# Altium PCB mantarray_beta2_sensor.PcbDoc (part 1 of 5) (continued)
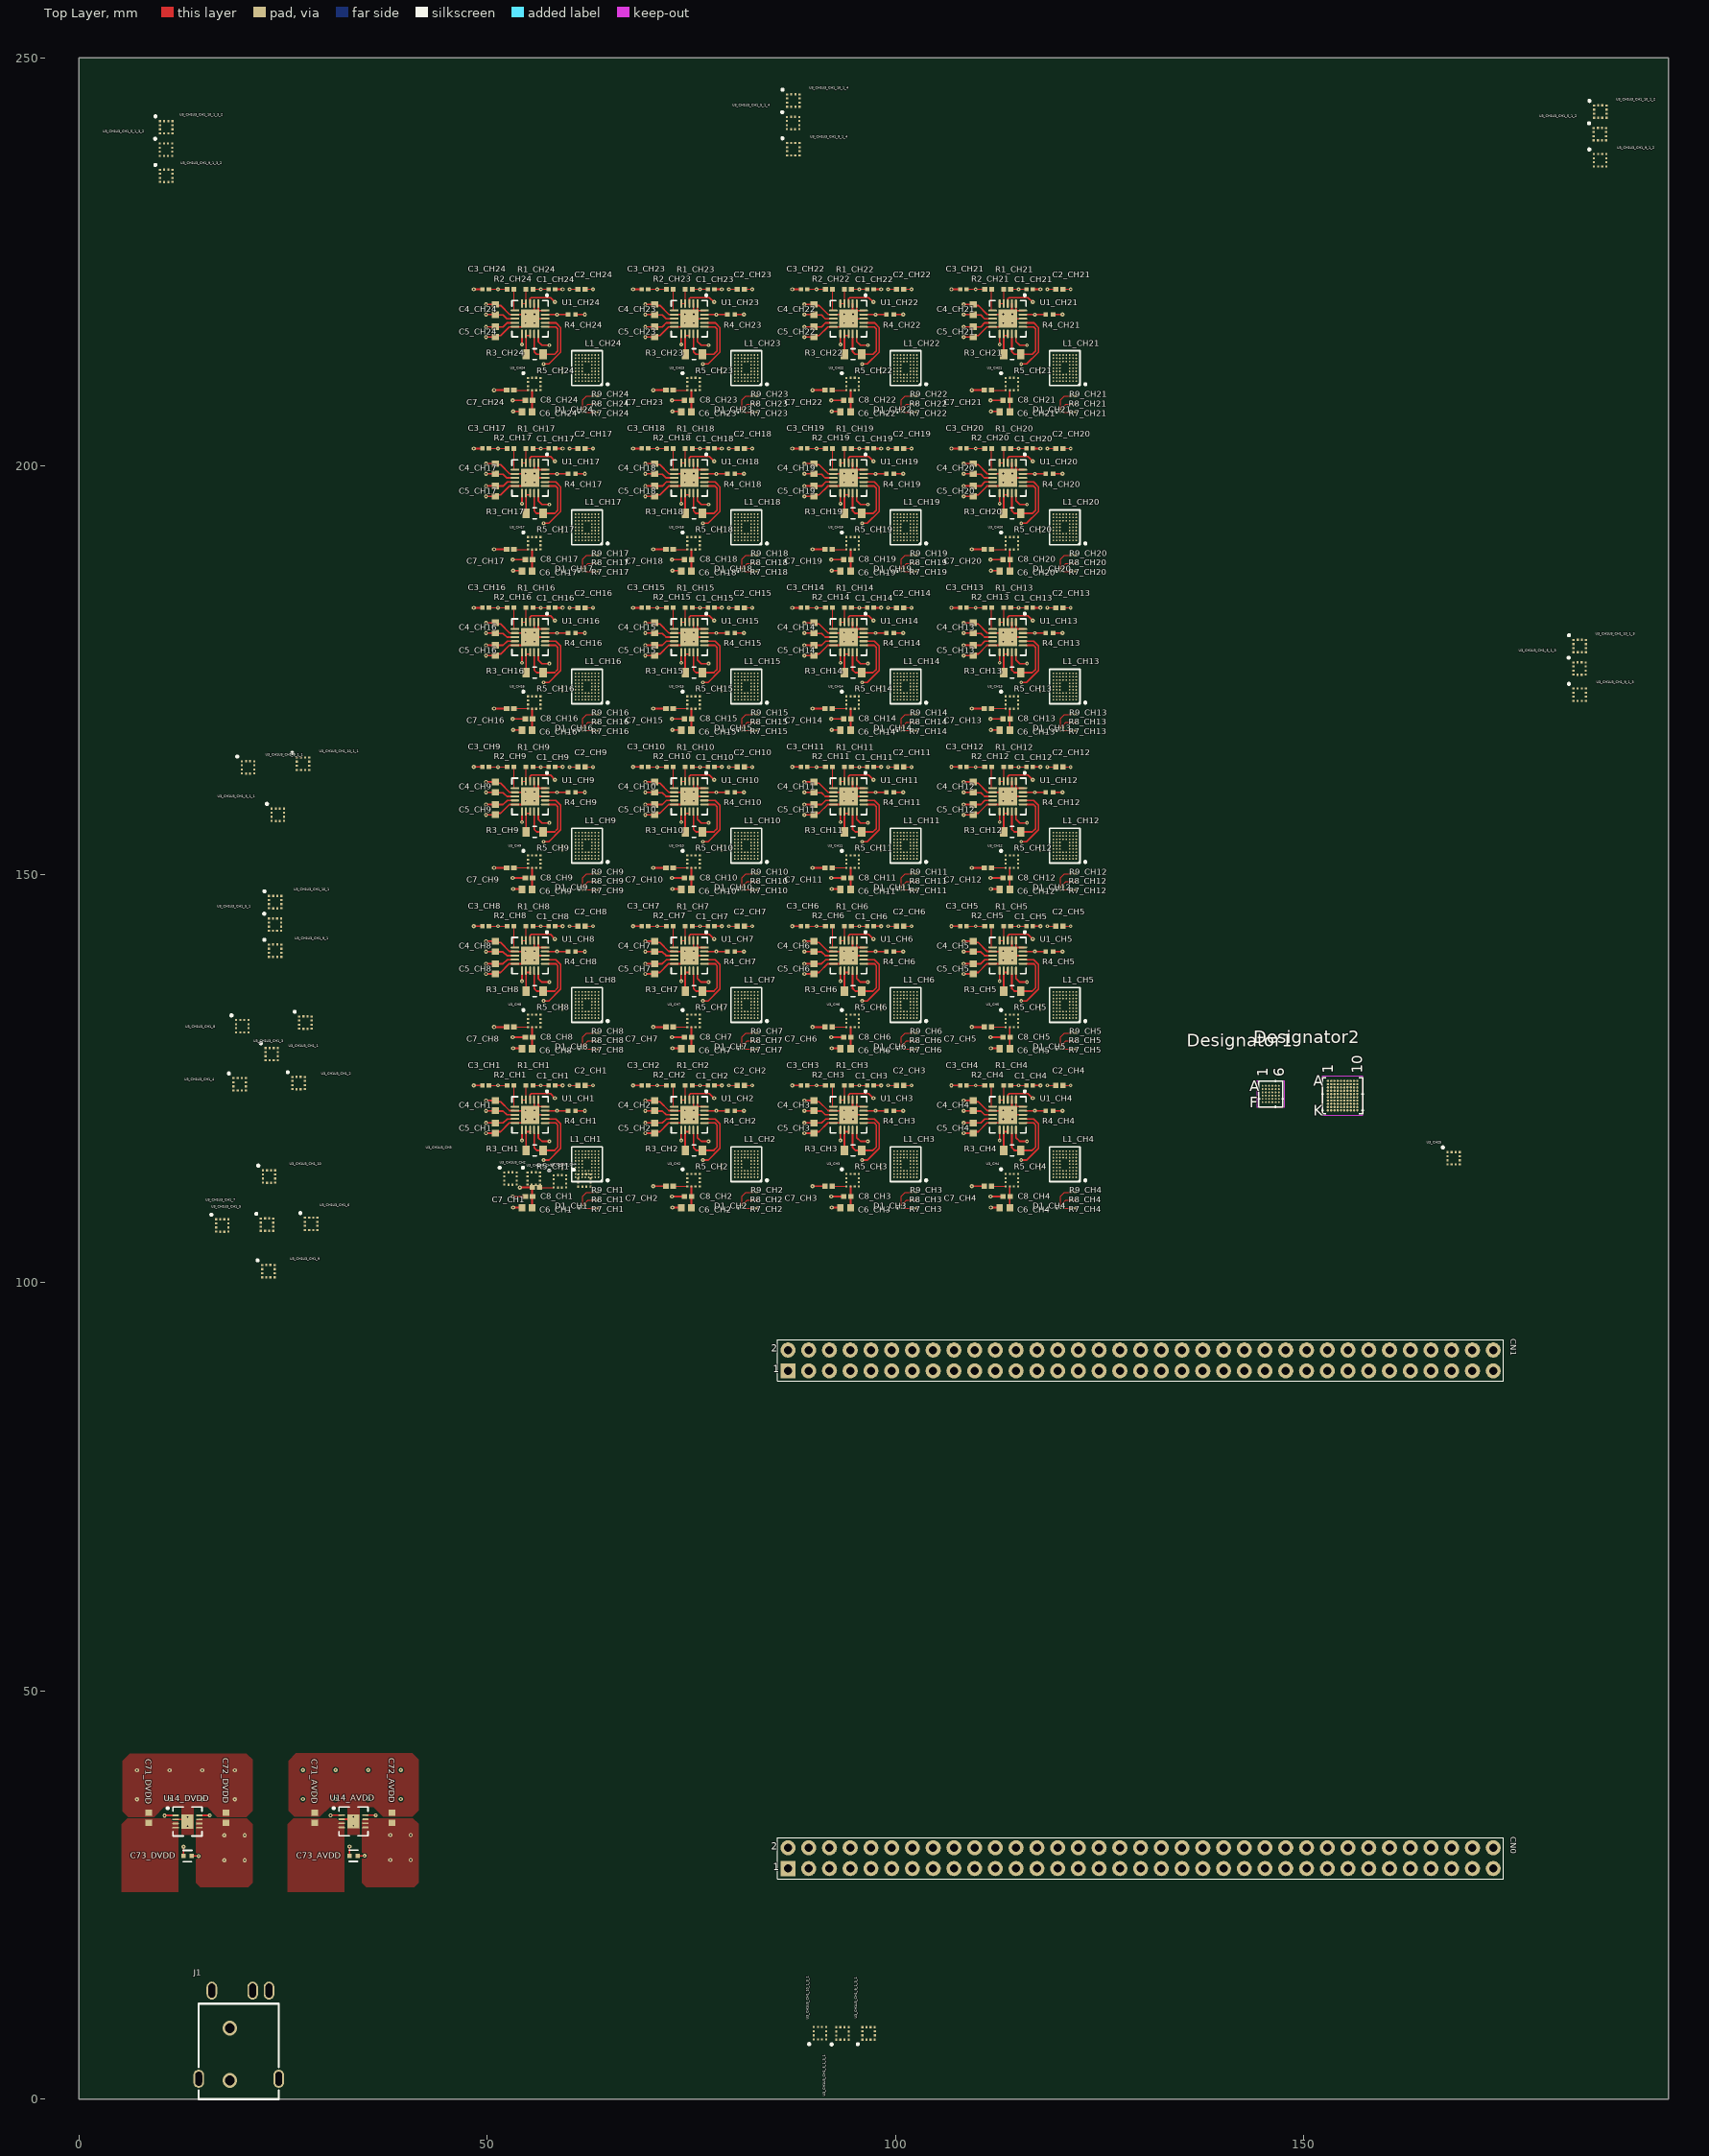
[diagram p0: Top Layer view]
## Components (designator, comment, footprint, x,y, rotation, side; value= is the part's Value field where it differs from the comment)
C1_CH1 "GRM155R71C103KA01J" CAPC1005X55X25LL05T10 57.925,124.15 r180 top locked (schematic designator C1)
C1_CH2 "GRM155R71C103KA01J" CAPC1005X55X25LL05T10 77.425,124.15 r180 top (schematic designator C1)
C1_CH3 "GRM155R71C103KA01J" CAPC1005X55X25LL05T10 96.925,124.15 r180 top (schematic designator C1)
C1_CH4 "GRM155R71C103KA01J" CAPC1005X55X25LL05T10 116.425,124.15 r180 top (schematic designator C1)
C1_CH5 "GRM155R71C103KA01J" CAPC1005X55X25LL05T10 116.425,143.65 r180 top (schematic designator C1)
C1_CH6 "GRM155R71C103KA01J" CAPC1005X55X25LL05T10 96.925,143.65 r180 top (schematic designator C1)
C1_CH7 "GRM155R71C103KA01J" CAPC1005X55X25LL05T10 77.425,143.65 r180 top (schematic designator C1)
C1_CH8 "GRM155R71C103KA01J" CAPC1005X55X25LL05T10 57.925,143.65 r180 top (schematic designator C1)
C1_CH9 "GRM155R71C103KA01J" CAPC1005X55X25LL05T10 57.925,163.15 r180 top (schematic designator C1)
C1_CH10 "GRM155R71C103KA01J" CAPC1005X55X25LL05T10 77.425,163.15 r180 top (schematic designator C1)
C1_CH11 "GRM155R71C103KA01J" CAPC1005X55X25LL05T10 96.925,163.15 r180 top (schematic designator C1)
C1_CH12 "GRM155R71C103KA01J" CAPC1005X55X25LL05T10 116.425,163.15 r180 top (schematic designator C1)
C1_CH13 "GRM155R71C103KA01J" CAPC1005X55X25LL05T10 116.425,182.65 r180 top (schematic designator C1)
C1_CH14 "GRM155R71C103KA01J" CAPC1005X55X25LL05T10 96.925,182.65 r180 top (schematic designator C1)
C1_CH15 "GRM155R71C103KA01J" CAPC1005X55X25LL05T10 77.425,182.65 r180 top (schematic designator C1)
C1_CH16 "GRM155R71C103KA01J" CAPC1005X55X25LL05T10 57.925,182.65 r180 top (schematic designator C1)
C1_CH17 "GRM155R71C103KA01J" CAPC1005X55X25LL05T10 57.925,202.15 r180 top (schematic designator C1)
C1_CH18 "GRM155R71C103KA01J" CAPC1005X55X25LL05T10 77.425,202.15 r180 top (schematic designator C1)
C1_CH19 "GRM155R71C103KA01J" CAPC1005X55X25LL05T10 96.925,202.15 r180 top (schematic designator C1)
C1_CH20 "GRM155R71C103KA01J" CAPC1005X55X25LL05T10 116.425,202.15 r180 top (schematic designator C1)
C1_CH21 "GRM155R71C103KA01J" CAPC1005X55X25LL05T10 116.425,221.65 r180 top (schematic designator C1)
C1_CH22 "GRM155R71C103KA01J" CAPC1005X55X25LL05T10 96.925,221.65 r180 top (schematic designator C1)
C1_CH23 "GRM155R71C103KA01J" CAPC1005X55X25LL05T10 77.425,221.65 r180 top (schematic designator C1)
C1_CH24 "GRM155R71C103KA01J" CAPC1005X55X25LL05T10 57.925,221.65 r180 top (schematic designator C1)
C2_CH1 "GRM155R71C104KA88D" CAPC1005X55X25NL05T10 61.55,124.15 r180 top locked (schematic designator C2)
C2_CH2 "GRM155R71C104KA88D" CAPC1005X55X25NL05T10 81.05,124.15 r180 top (schematic designator C2)
C2_CH3 "GRM155R71C104KA88D" CAPC1005X55X25NL05T10 100.55,124.15 r180 top (schematic designator C2)
C2_CH4 "GRM155R71C104KA88D" CAPC1005X55X25NL05T10 120.05,124.15 r180 top (schematic designator C2)
C2_CH5 "GRM155R71C104KA88D" CAPC1005X55X25NL05T10 120.05,143.65 r180 top (schematic designator C2)
C2_CH6 "GRM155R71C104KA88D" CAPC1005X55X25NL05T10 100.55,143.65 r180 top (schematic designator C2)
C2_CH7 "GRM155R71C104KA88D" CAPC1005X55X25NL05T10 81.05,143.65 r180 top (schematic designator C2)
C2_CH8 "GRM155R71C104KA88D" CAPC1005X55X25NL05T10 61.55,143.65 r180 top (schematic designator C2)
C2_CH9 "GRM155R71C104KA88D" CAPC1005X55X25NL05T10 61.55,163.15 r180 top (schematic designator C2)
C2_CH10 "GRM155R71C104KA88D" CAPC1005X55X25NL05T10 81.05,163.15 r180 top (schematic designator C2)
C2_CH11 "GRM155R71C104KA88D" CAPC1005X55X25NL05T10 100.55,163.15 r180 top (schematic designator C2)
C2_CH12 "GRM155R71C104KA88D" CAPC1005X55X25NL05T10 120.05,163.15 r180 top (schematic designator C2)
C2_CH13 "GRM155R71C104KA88D" CAPC1005X55X25NL05T10 120.05,182.65 r180 top (schematic designator C2)
C2_CH14 "GRM155R71C104KA88D" CAPC1005X55X25NL05T10 100.55,182.65 r180 top (schematic designator C2)
C2_CH15 "GRM155R71C104KA88D" CAPC1005X55X25NL05T10 81.05,182.65 r180 top (schematic designator C2)
C2_CH16 "GRM155R71C104KA88D" CAPC1005X55X25NL05T10 61.55,182.65 r180 top (schematic designator C2)
C2_CH17 "GRM155R71C104KA88D" CAPC1005X55X25NL05T10 61.55,202.15 r180 top (schematic designator C2)
C2_CH18 "GRM155R71C104KA88D" CAPC1005X55X25NL05T10 81.05,202.15 r180 top (schematic designator C2)
C2_CH19 "GRM155R71C104KA88D" CAPC1005X55X25NL05T10 100.55,202.15 r180 top (schematic designator C2)
C2_CH20 "GRM155R71C104KA88D" CAPC1005X55X25NL05T10 120.05,202.15 r180 top (schematic designator C2)
C2_CH21 "GRM155R71C104KA88D" CAPC1005X55X25NL05T10 120.05,221.65 r180 top (schematic designator C2)
C2_CH22 "GRM155R71C104KA88D" CAPC1005X55X25NL05T10 100.55,221.65 r180 top (schematic designator C2)
C2_CH23 "GRM155R71C104KA88D" CAPC1005X55X25NL05T10 81.05,221.65 r180 top (schematic designator C2)
C2_CH24 "GRM155R71C104KA88D" CAPC1005X55X25NL05T10 61.55,221.65 r180 top (schematic designator C2)
C3_CH1 "GRM155R71C103KA01J" CAPC1005X55X25LL05T10 49.81,124.15 r0 top locked (schematic designator C3)
C3_CH2 "GRM155R71C103KA01J" CAPC1005X55X25LL05T10 69.31,124.15 r0 top (schematic designator C3)
C3_CH3 "GRM155R71C103KA01J" CAPC1005X55X25LL05T10 88.81,124.15 r0 top (schematic designator C3)
C3_CH4 "GRM155R71C103KA01J" CAPC1005X55X25LL05T10 108.31,124.15 r0 top (schematic designator C3)
C3_CH5 "GRM155R71C103KA01J" CAPC1005X55X25LL05T10 108.31,143.65 r0 top (schematic designator C3)
C3_CH6 "GRM155R71C103KA01J" CAPC1005X55X25LL05T10 88.81,143.65 r0 top (schematic designator C3)
C3_CH7 "GRM155R71C103KA01J" CAPC1005X55X25LL05T10 69.31,143.65 r0 top (schematic designator C3)
C3_CH8 "GRM155R71C103KA01J" CAPC1005X55X25LL05T10 49.81,143.65 r0 top (schematic designator C3)
C3_CH9 "GRM155R71C103KA01J" CAPC1005X55X25LL05T10 49.81,163.15 r0 top (schematic designator C3)
C3_CH10 "GRM155R71C103KA01J" CAPC1005X55X25LL05T10 69.31,163.15 r0 top (schematic designator C3)
C3_CH11 "GRM155R71C103KA01J" CAPC1005X55X25LL05T10 88.81,163.15 r0 top (schematic designator C3)
C3_CH12 "GRM155R71C103KA01J" CAPC1005X55X25LL05T10 108.31,163.15 r0 top (schematic designator C3)
C3_CH13 "GRM155R71C103KA01J" CAPC1005X55X25LL05T10 108.31,182.65 r0 top (schematic designator C3)
C3_CH14 "GRM155R71C103KA01J" CAPC1005X55X25LL05T10 88.81,182.65 r0 top (schematic designator C3)
C3_CH15 "GRM155R71C103KA01J" CAPC1005X55X25LL05T10 69.31,182.65 r0 top (schematic designator C3)
C3_CH16 "GRM155R71C103KA01J" CAPC1005X55X25LL05T10 49.81,182.65 r0 top (schematic designator C3)
C3_CH17 "GRM155R71C103KA01J" CAPC1005X55X25LL05T10 49.81,202.15 r0 top (schematic designator C3)
C3_CH18 "GRM155R71C103KA01J" CAPC1005X55X25LL05T10 69.31,202.15 r0 top (schematic designator C3)
C3_CH19 "GRM155R71C103KA01J" CAPC1005X55X25LL05T10 88.81,202.15 r0 top (schematic designator C3)
C3_CH20 "GRM155R71C103KA01J" CAPC1005X55X25LL05T10 108.31,202.15 r0 top (schematic designator C3)
C3_CH21 "GRM155R71C103KA01J" CAPC1005X55X25LL05T10 108.31,221.65 r0 top (schematic designator C3)
C3_CH22 "GRM155R71C103KA01J" CAPC1005X55X25LL05T10 88.81,221.65 r0 top (schematic designator C3)
C3_CH23 "GRM155R71C103KA01J" CAPC1005X55X25LL05T10 69.31,221.65 r0 top (schematic designator C3)
C3_CH24 "GRM155R71C103KA01J" CAPC1005X55X25LL05T10 49.81,221.65 r0 top (schematic designator C3)
C4_CH1 "C0603C105K3RACTU" CAPC1608X87X35LL15T15 51,121.675 r270 top locked (schematic designator C4)
C4_CH2 "C0603C105K3RACTU" CAPC1608X87X35LL15T15 70.5,121.675 r270 top (schematic designator C4)
C4_CH3 "C0603C105K3RACTU" CAPC1608X87X35LL15T15 90,121.675 r270 top (schematic designator C4)
C4_CH4 "C0603C105K3RACTU" CAPC1608X87X35LL15T15 109.5,121.675 r270 top (schematic designator C4)
C4_CH5 "C0603C105K3RACTU" CAPC1608X87X35LL15T15 109.5,141.175 r270 top (schematic designator C4)
C4_CH6 "C0603C105K3RACTU" CAPC1608X87X35LL15T15 90,141.175 r270 top (schematic designator C4)
C4_CH7 "C0603C105K3RACTU" CAPC1608X87X35LL15T15 70.5,141.175 r270 top (schematic designator C4)
C4_CH8 "C0603C105K3RACTU" CAPC1608X87X35LL15T15 51,141.175 r270 top (schematic designator C4)
C4_CH9 "C0603C105K3RACTU" CAPC1608X87X35LL15T15 51,160.675 r270 top (schematic designator C4)
C4_CH10 "C0603C105K3RACTU" CAPC1608X87X35LL15T15 70.5,160.675 r270 top (schematic designator C4)
C4_CH11 "C0603C105K3RACTU" CAPC1608X87X35LL15T15 90,160.675 r270 top (schematic designator C4)
C4_CH12 "C0603C105K3RACTU" CAPC1608X87X35LL15T15 109.5,160.675 r270 top (schematic designator C4)
C4_CH13 "C0603C105K3RACTU" CAPC1608X87X35LL15T15 109.5,180.175 r270 top (schematic designator C4)
C4_CH14 "C0603C105K3RACTU" CAPC1608X87X35LL15T15 90,180.175 r270 top (schematic designator C4)
C4_CH15 "C0603C105K3RACTU" CAPC1608X87X35LL15T15 70.5,180.175 r270 top (schematic designator C4)
C4_CH16 "C0603C105K3RACTU" CAPC1608X87X35LL15T15 51,180.175 r270 top (schematic designator C4)
C4_CH17 "C0603C105K3RACTU" CAPC1608X87X35LL15T15 51,199.675 r270 top (schematic designator C4)
C4_CH18 "C0603C105K3RACTU" CAPC1608X87X35LL15T15 70.5,199.675 r270 top (schematic designator C4)
C4_CH19 "C0603C105K3RACTU" CAPC1608X87X35LL15T15 90,199.675 r270 top (schematic designator C4)
C4_CH20 "C0603C105K3RACTU" CAPC1608X87X35LL15T15 109.5,199.675 r270 top (schematic designator C4)
C4_CH21 "C0603C105K3RACTU" CAPC1608X87X35LL15T15 109.5,219.175 r270 top (schematic designator C4)
C4_CH22 "C0603C105K3RACTU" CAPC1608X87X35LL15T15 90,219.175 r270 top (schematic designator C4)
C4_CH23 "C0603C105K3RACTU" CAPC1608X87X35LL15T15 70.5,219.175 r270 top (schematic designator C4)
C4_CH24 "C0603C105K3RACTU" CAPC1608X87X35LL15T15 51,219.175 r270 top (schematic designator C4)
C5_CH1 "C0603C105K3RACTU" CAPC1608X87X35LL15T15 51,118.925 r90 top locked (schematic designator C5)
C5_CH2 "C0603C105K3RACTU" CAPC1608X87X35LL15T15 70.5,118.925 r90 top (schematic designator C5)
C5_CH3 "C0603C105K3RACTU" CAPC1608X87X35LL15T15 90,118.925 r90 top (schematic designator C5)
C5_CH4 "C0603C105K3RACTU" CAPC1608X87X35LL15T15 109.5,118.925 r90 top (schematic designator C5)
C5_CH5 "C0603C105K3RACTU" CAPC1608X87X35LL15T15 109.5,138.425 r90 top (schematic designator C5)
C5_CH6 "C0603C105K3RACTU" CAPC1608X87X35LL15T15 90,138.425 r90 top (schematic designator C5)
C5_CH7 "C0603C105K3RACTU" CAPC1608X87X35LL15T15 70.5,138.425 r90 top (schematic designator C5)
C5_CH8 "C0603C105K3RACTU" CAPC1608X87X35LL15T15 51,138.425 r90 top (schematic designator C5)
C5_CH9 "C0603C105K3RACTU" CAPC1608X87X35LL15T15 51,157.925 r90 top (schematic designator C5)
C5_CH10 "C0603C105K3RACTU" CAPC1608X87X35LL15T15 70.5,157.925 r90 top (schematic designator C5)
C5_CH11 "C0603C105K3RACTU" CAPC1608X87X35LL15T15 90,157.925 r90 top (schematic designator C5)
C5_CH12 "C0603C105K3RACTU" CAPC1608X87X35LL15T15 109.5,157.925 r90 top (schematic designator C5)
C5_CH13 "C0603C105K3RACTU" CAPC1608X87X35LL15T15 109.5,177.425 r90 top (schematic designator C5)
C5_CH14 "C0603C105K3RACTU" CAPC1608X87X35LL15T15 90,177.425 r90 top (schematic designator C5)
C5_CH15 "C0603C105K3RACTU" CAPC1608X87X35LL15T15 70.5,177.425 r90 top (schematic designator C5)
C5_CH16 "C0603C105K3RACTU" CAPC1608X87X35LL15T15 51,177.425 r90 top (schematic designator C5)
C5_CH17 "C0603C105K3RACTU" CAPC1608X87X35LL15T15 51,196.925 r90 top (schematic designator C5)
C5_CH18 "C0603C105K3RACTU" CAPC1608X87X35LL15T15 70.5,196.925 r90 top (schematic designator C5)
C5_CH19 "C0603C105K3RACTU" CAPC1608X87X35LL15T15 90,196.925 r90 top (schematic designator C5)
C5_CH20 "C0603C105K3RACTU" CAPC1608X87X35LL15T15 109.5,196.925 r90 top (schematic designator C5)
C5_CH21 "C0603C105K3RACTU" CAPC1608X87X35LL15T15 109.5,216.425 r90 top (schematic designator C5)
C5_CH22 "C0603C105K3RACTU" CAPC1608X87X35LL15T15 90,216.425 r90 top (schematic designator C5)
C5_CH23 "C0603C105K3RACTU" CAPC1608X87X35LL15T15 70.5,216.425 r90 top (schematic designator C5)
C5_CH24 "C0603C105K3RACTU" CAPC1608X87X35LL15T15 51,216.425 r90 top (schematic designator C5)
C6_CH1 "C0603C105K3RACTU" CAPC1608X87X35LL15T15 54.875,109.15 r0 top locked (schematic designator C6)
C6_CH2 "C0603C105K3RACTU" CAPC1608X87X35LL15T15 74.375,109.15 r0 top (schematic designator C6)
C6_CH3 "C0603C105K3RACTU" CAPC1608X87X35LL15T15 93.875,109.15 r0 top (schematic designator C6)
C6_CH4 "C0603C105K3RACTU" CAPC1608X87X35LL15T15 113.375,109.15 r0 top (schematic designator C6)
C6_CH5 "C0603C105K3RACTU" CAPC1608X87X35LL15T15 113.375,128.65 r0 top (schematic designator C6)
C6_CH6 "C0603C105K3RACTU" CAPC1608X87X35LL15T15 93.875,128.65 r0 top (schematic designator C6)
C6_CH7 "C0603C105K3RACTU" CAPC1608X87X35LL15T15 74.375,128.65 r0 top (schematic designator C6)
C6_CH8 "C0603C105K3RACTU" CAPC1608X87X35LL15T15 54.875,128.65 r0 top (schematic designator C6)
C6_CH9 "C0603C105K3RACTU" CAPC1608X87X35LL15T15 54.875,148.15 r0 top (schematic designator C6)
C6_CH10 "C0603C105K3RACTU" CAPC1608X87X35LL15T15 74.375,148.15 r0 top (schematic designator C6)
C6_CH11 "C0603C105K3RACTU" CAPC1608X87X35LL15T15 93.875,148.15 r0 top (schematic designator C6)
C6_CH12 "C0603C105K3RACTU" CAPC1608X87X35LL15T15 113.375,148.15 r0 top (schematic designator C6)
C6_CH13 "C0603C105K3RACTU" CAPC1608X87X35LL15T15 113.375,167.65 r0 top (schematic designator C6)
C6_CH14 "C0603C105K3RACTU" CAPC1608X87X35LL15T15 93.875,167.65 r0 top (schematic designator C6)
C6_CH15 "C0603C105K3RACTU" CAPC1608X87X35LL15T15 74.375,167.65 r0 top (schematic designator C6)
C6_CH16 "C0603C105K3RACTU" CAPC1608X87X35LL15T15 54.875,167.65 r0 top (schematic designator C6)
C6_CH17 "C0603C105K3RACTU" CAPC1608X87X35LL15T15 54.875,187.15 r0 top (schematic designator C6)
C6_CH18 "C0603C105K3RACTU" CAPC1608X87X35LL15T15 74.375,187.15 r0 top (schematic designator C6)
C6_CH19 "C0603C105K3RACTU" CAPC1608X87X35LL15T15 93.875,187.15 r0 top (schematic designator C6)
C6_CH20 "C0603C105K3RACTU" CAPC1608X87X35LL15T15 113.375,187.15 r0 top (schematic designator C6)
C6_CH21 "C0603C105K3RACTU" CAPC1608X87X35LL15T15 113.375,206.65 r0 top (schematic designator C6)
C6_CH22 "C0603C105K3RACTU" CAPC1608X87X35LL15T15 93.875,206.65 r0 top (schematic designator C6)
C6_CH23 "C0603C105K3RACTU" CAPC1608X87X35LL15T15 74.375,206.65 r0 top (schematic designator C6)
C6_CH24 "C0603C105K3RACTU" CAPC1608X87X35LL15T15 54.875,206.65 r0 top (schematic designator C6)
C7_CH1 "GRM155R71C104KA88D" CAPC1005X55X25NL05T10 55.975,111.65 r0 top locked (schematic designator C7)
C7_CH2 "GRM155R71C104KA88D" CAPC1005X55X25NL05T10 72.325,111.8 r0 top (schematic designator C7)
C7_CH3 "GRM155R71C104KA88D" CAPC1005X55X25NL05T10 91.825,111.8 r0 top (schematic designator C7)
C7_CH4 "GRM155R71C104KA88D" CAPC1005X55X25NL05T10 111.325,111.8 r0 top (schematic designator C7)
C7_CH5 "GRM155R71C104KA88D" CAPC1005X55X25NL05T10 111.325,131.3 r0 top (schematic designator C7)
C7_CH6 "GRM155R71C104KA88D" CAPC1005X55X25NL05T10 91.825,131.3 r0 top (schematic designator C7)
C7_CH7 "GRM155R71C104KA88D" CAPC1005X55X25NL05T10 72.325,131.3 r0 top (schematic designator C7)
C7_CH8 "GRM155R71C104KA88D" CAPC1005X55X25NL05T10 52.825,131.3 r0 top (schematic designator C7)
C7_CH9 "GRM155R71C104KA88D" CAPC1005X55X25NL05T10 52.825,150.8 r0 top (schematic designator C7)
C7_CH10 "GRM155R71C104KA88D" CAPC1005X55X25NL05T10 72.325,150.8 r0 top (schematic designator C7)
C7_CH11 "GRM155R71C104KA88D" CAPC1005X55X25NL05T10 91.825,150.8 r0 top (schematic designator C7)
C7_CH12 "GRM155R71C104KA88D" CAPC1005X55X25NL05T10 111.325,150.8 r0 top (schematic designator C7)
C7_CH13 "GRM155R71C104KA88D" CAPC1005X55X25NL05T10 111.325,170.3 r0 top (schematic designator C7)
C7_CH14 "GRM155R71C104KA88D" CAPC1005X55X25NL05T10 91.825,170.3 r0 top (schematic designator C7)
C7_CH15 "GRM155R71C104KA88D" CAPC1005X55X25NL05T10 72.325,170.3 r0 top (schematic designator C7)
C7_CH16 "GRM155R71C104KA88D" CAPC1005X55X25NL05T10 52.825,170.3 r0 top (schematic designator C7)
C7_CH17 "GRM155R71C104KA88D" CAPC1005X55X25NL05T10 52.825,189.8 r0 top (schematic designator C7)
C7_CH18 "GRM155R71C104KA88D" CAPC1005X55X25NL05T10 72.325,189.8 r0 top (schematic designator C7)
C7_CH19 "GRM155R71C104KA88D" CAPC1005X55X25NL05T10 91.825,189.8 r0 top (schematic designator C7)
C7_CH20 "GRM155R71C104KA88D" CAPC1005X55X25NL05T10 111.325,189.8 r0 top (schematic designator C7)
C7_CH21 "GRM155R71C104KA88D" CAPC1005X55X25NL05T10 111.325,209.3 r0 top (schematic designator C7)
C7_CH22 "GRM155R71C104KA88D" CAPC1005X55X25NL05T10 91.825,209.3 r0 top (schematic designator C7)
C7_CH23 "GRM155R71C104KA88D" CAPC1005X55X25NL05T10 72.325,209.3 r0 top (schematic designator C7)
C7_CH24 "GRM155R71C104KA88D" CAPC1005X55X25NL05T10 52.825,209.3 r0 top (schematic designator C7)
C8_CH1 "GRM155R71C104KA88D" CAPC1005X55X25NL05T10 55.109,110.55 r0 top locked (schematic designator C8)
C8_CH2 "GRM155R71C104KA88D" CAPC1005X55X25NL05T10 74.609,110.55 r0 top (schematic designator C8)
C8_CH3 "GRM155R71C104KA88D" CAPC1005X55X25NL05T10 94.109,110.55 r0 top (schematic designator C8)
C8_CH4 "GRM155R71C104KA88D" CAPC1005X55X25NL05T10 113.609,110.55 r0 top (schematic designator C8)
C8_CH5 "GRM155R71C104KA88D" CAPC1005X55X25NL05T10 113.609,130.05 r0 top (schematic designator C8)
C8_CH6 "GRM155R71C104KA88D" CAPC1005X55X25NL05T10 94.109,130.05 r0 top (schematic designator C8)
C8_CH7 "GRM155R71C104KA88D" CAPC1005X55X25NL05T10 74.609,130.05 r0 top (schematic designator C8)
C8_CH8 "GRM155R71C104KA88D" CAPC1005X55X25NL05T10 55.109,130.05 r0 top (schematic designator C8)
C8_CH9 "GRM155R71C104KA88D" CAPC1005X55X25NL05T10 55.109,149.55 r0 top (schematic designator C8)
C8_CH10 "GRM155R71C104KA88D" CAPC1005X55X25NL05T10 74.609,149.55 r0 top (schematic designator C8)
C8_CH11 "GRM155R71C104KA88D" CAPC1005X55X25NL05T10 94.109,149.55 r0 top (schematic designator C8)
C8_CH12 "GRM155R71C104KA88D" CAPC1005X55X25NL05T10 113.609,149.55 r0 top (schematic designator C8)
C8_CH13 "GRM155R71C104KA88D" CAPC1005X55X25NL05T10 113.609,169.05 r0 top (schematic designator C8)
C8_CH14 "GRM155R71C104KA88D" CAPC1005X55X25NL05T10 94.109,169.05 r0 top (schematic designator C8)
C8_CH15 "GRM155R71C104KA88D" CAPC1005X55X25NL05T10 74.609,169.05 r0 top (schematic designator C8)
C8_CH16 "GRM155R71C104KA88D" CAPC1005X55X25NL05T10 55.109,169.05 r0 top (schematic designator C8)
C8_CH17 "GRM155R71C104KA88D" CAPC1005X55X25NL05T10 55.109,188.55 r0 top (schematic designator C8)
C8_CH18 "GRM155R71C104KA88D" CAPC1005X55X25NL05T10 74.609,188.55 r0 top (schematic designator C8)
C8_CH19 "GRM155R71C104KA88D" CAPC1005X55X25NL05T10 94.109,188.55 r0 top (schematic designator C8)
C8_CH20 "GRM155R71C104KA88D" CAPC1005X55X25NL05T10 113.609,188.55 r0 top (schematic designator C8)
C8_CH21 "GRM155R71C104KA88D" CAPC1005X55X25NL05T10 113.609,208.05 r0 top (schematic designator C8)
C8_CH22 "GRM155R71C104KA88D" CAPC1005X55X25NL05T10 94.109,208.05 r0 top (schematic designator C8)
C8_CH23 "GRM155R71C104KA88D" CAPC1005X55X25NL05T10 74.609,208.05 r0 top (schematic designator C8)
C8_CH24 "GRM155R71C104KA88D" CAPC1005X55X25NL05T10 55.109,208.05 r0 top (schematic designator C8)
C71_AVDD "GRM188R61E475KE11D" CAPC1608X90X35LL10T15 28.875,34.475 r270 top (schematic designator C71)
C71_DVDD "GRM188R61E475KE11D" CAPC1608X90X35LL10T15 8.549,34.45 r270 top (schematic designator C71)
C72_AVDD "GRM188R61E475KE11D" CAPC1608X90X35LL10T15 38.325,34.475 r270 top (schematic designator C72)
C72_DVDD "GRM188R61E475KE11D" CAPC1608X90X35LL10T15 17.999,34.45 r270 top (schematic designator C72)
C73_AVDD "CC0402KRX7R7BB103" FP-CC0402-MFG 33.625,29.8 r180 top value="10 nF" (schematic designator C73)
C73_DVDD "CC0402KRX7R7BB103" FP-CC0402-MFG 13.299,29.775 r180 top value="10 nF" (schematic designator C73)
CN0 "Header 35x2" CON_SAMTEC_TSW-135-07-X-D 86.83,28.24 r0 top
CN1 "Header 35x2" CON_SAMTEC_TSW-135-07-X-D 86.83,89.2 r0 top
D1_CH1 "XZBGRBBRMER158W" 4-SMD 61.875,109.275 r0 top locked (schematic designator D1)
D1_CH2 "XZBGRBBRMER158W" 4-SMD 81.375,109.275 r0 top (schematic designator D1)
D1_CH3 "XZBGRBBRMER158W" 4-SMD 100.875,109.275 r0 top (schematic designator D1)
D1_CH4 "XZBGRBBRMER158W" 4-SMD 120.375,109.275 r0 top (schematic designator D1)
D1_CH5 "XZBGRBBRMER158W" 4-SMD 120.375,128.775 r0 top (schematic designator D1)
D1_CH6 "XZBGRBBRMER158W" 4-SMD 100.875,128.775 r0 top (schematic designator D1)
D1_CH7 "XZBGRBBRMER158W" 4-SMD 81.375,128.775 r0 top (schematic designator D1)
D1_CH8 "XZBGRBBRMER158W" 4-SMD 61.875,128.775 r0 top (schematic designator D1)
D1_CH9 "XZBGRBBRMER158W" 4-SMD 61.875,148.275 r0 top (schematic designator D1)
D1_CH10 "XZBGRBBRMER158W" 4-SMD 81.375,148.275 r0 top (schematic designator D1)
D1_CH11 "XZBGRBBRMER158W" 4-SMD 100.875,148.275 r0 top (schematic designator D1)
D1_CH12 "XZBGRBBRMER158W" 4-SMD 120.375,148.275 r0 top (schematic designator D1)
D1_CH13 "XZBGRBBRMER158W" 4-SMD 120.375,167.775 r0 top (schematic designator D1)
D1_CH14 "XZBGRBBRMER158W" 4-SMD 100.875,167.775 r0 top (schematic designator D1)
D1_CH15 "XZBGRBBRMER158W" 4-SMD 81.375,167.775 r0 top (schematic designator D1)
D1_CH16 "XZBGRBBRMER158W" 4-SMD 61.875,167.775 r0 top (schematic designator D1)
D1_CH17 "XZBGRBBRMER158W" 4-SMD 61.875,187.275 r0 top (schematic designator D1)
D1_CH18 "XZBGRBBRMER158W" 4-SMD 81.375,187.275 r0 top (schematic designator D1)
D1_CH19 "XZBGRBBRMER158W" 4-SMD 100.875,187.275 r0 top (schematic designator D1)
D1_CH20 "XZBGRBBRMER158W" 4-SMD 120.375,187.275 r0 top (schematic designator D1)
D1_CH21 "XZBGRBBRMER158W" 4-SMD 120.375,206.775 r0 top (schematic designator D1)
D1_CH22 "XZBGRBBRMER158W" 4-SMD 100.875,206.775 r0 top (schematic designator D1)
D1_CH23 "XZBGRBBRMER158W" 4-SMD 81.375,206.775 r0 top (schematic designator D1)
D1_CH24 "XZBGRBBRMER158W" 4-SMD 61.875,206.775 r0 top (schematic designator D1)
Designator1 "Comment" WLCSP36L_DIE417 145.95,123.1 r0 top
Designator2 "Comment" WLCSP100 154.75,122.9 r0 top
J1 "PJ-001AH-67" PJ-001AH-67 16.275,13.3 r90 top
L1_CH1 "STM32F378RCY6TR" STM-WLCSP66 62.225,114.5 r180 top locked (schematic designator L1)
L1_CH2 "STM32F378RCY6TR" STM-WLCSP66 81.725,114.5 r180 top (schematic designator L1)
L1_CH3 "STM32F378RCY6TR" STM-WLCSP66 101.225,114.5 r180 top (schematic designator L1)
L1_CH4 "STM32F378RCY6TR" STM-WLCSP66 120.725,114.5 r180 top (schematic designator L1)
L1_CH5 "STM32F378RCY6TR" STM-WLCSP66 120.725,134 r180 top (schematic designator L1)
L1_CH6 "STM32F378RCY6TR" STM-WLCSP66 101.225,134 r180 top (schematic designator L1)
L1_CH7 "STM32F378RCY6TR" STM-WLCSP66 81.725,134 r180 top (schematic designator L1)
L1_CH8 "STM32F378RCY6TR" STM-WLCSP66 62.225,134 r180 top (schematic designator L1)
L1_CH9 "STM32F378RCY6TR" STM-WLCSP66 62.225,153.5 r180 top (schematic designator L1)
L1_CH10 "STM32F378RCY6TR" STM-WLCSP66 81.725,153.5 r180 top (schematic designator L1)
L1_CH11 "STM32F378RCY6TR" STM-WLCSP66 101.225,153.5 r180 top (schematic designator L1)
L1_CH12 "STM32F378RCY6TR" STM-WLCSP66 120.725,153.5 r180 top (schematic designator L1)
L1_CH13 "STM32F378RCY6TR" STM-WLCSP66 120.725,173 r180 top (schematic designator L1)
L1_CH14 "STM32F378RCY6TR" STM-WLCSP66 101.225,173 r180 top (schematic designator L1)
L1_CH15 "STM32F378RCY6TR" STM-WLCSP66 81.725,173 r180 top (schematic designator L1)
L1_CH16 "STM32F378RCY6TR" STM-WLCSP66 62.225,173 r180 top (schematic designator L1)
L1_CH17 "STM32F378RCY6TR" STM-WLCSP66 62.225,192.5 r180 top (schematic designator L1)
L1_CH18 "STM32F378RCY6TR" STM-WLCSP66 81.725,192.5 r180 top (schematic designator L1)
L1_CH19 "STM32F378RCY6TR" STM-WLCSP66 101.225,192.5 r180 top (schematic designator L1)
L1_CH20 "STM32F378RCY6TR" STM-WLCSP66 120.725,192.5 r180 top (schematic designator L1)
L1_CH21 "STM32F378RCY6TR" STM-WLCSP66 120.725,212 r180 top (schematic designator L1)
L1_CH22 "STM32F378RCY6TR" STM-WLCSP66 101.225,212 r180 top (schematic designator L1)
L1_CH23 "STM32F378RCY6TR" STM-WLCSP66 81.725,212 r180 top (schematic designator L1)
L1_CH24 "STM32F378RCY6TR" STM-WLCSP66 62.225,212 r180 top (schematic designator L1)
R1_CH1 "RC0402FR-071KL" RESC1005X40X25NL05T10 55.175,124.15 r0 top locked (schematic designator R1)
R1_CH2 "RC0402FR-071KL" RESC1005X40X25NL05T10 74.675,124.15 r0 top (schematic designator R1)
R1_CH3 "RC0402FR-071KL" RESC1005X40X25NL05T10 94.175,124.15 r0 top (schematic designator R1)
R1_CH4 "RC0402FR-071KL" RESC1005X40X25NL05T10 113.675,124.15 r0 top (schematic designator R1)
R1_CH5 "RC0402FR-071KL" RESC1005X40X25NL05T10 113.675,143.65 r0 top (schematic designator R1)
R1_CH6 "RC0402FR-071KL" RESC1005X40X25NL05T10 94.175,143.65 r0 top (schematic designator R1)
R1_CH7 "RC0402FR-071KL" RESC1005X40X25NL05T10 74.675,143.65 r0 top (schematic designator R1)
R1_CH8 "RC0402FR-071KL" RESC1005X40X25NL05T10 55.175,143.65 r0 top (schematic designator R1)
R1_CH9 "RC0402FR-071KL" RESC1005X40X25NL05T10 55.175,163.15 r0 top (schematic designator R1)
R1_CH10 "RC0402FR-071KL" RESC1005X40X25NL05T10 74.675,163.15 r0 top (schematic designator R1)
R1_CH11 "RC0402FR-071KL" RESC1005X40X25NL05T10 94.175,163.15 r0 top (schematic designator R1)
R1_CH12 "RC0402FR-071KL" RESC1005X40X25NL05T10 113.675,163.15 r0 top (schematic designator R1)
R1_CH13 "RC0402FR-071KL" RESC1005X40X25NL05T10 113.675,182.65 r0 top (schematic designator R1)
R1_CH14 "RC0402FR-071KL" RESC1005X40X25NL05T10 94.175,182.65 r0 top (schematic designator R1)
R1_CH15 "RC0402FR-071KL" RESC1005X40X25NL05T10 74.675,182.65 r0 top (schematic designator R1)
R1_CH16 "RC0402FR-071KL" RESC1005X40X25NL05T10 55.175,182.65 r0 top (schematic designator R1)
R1_CH17 "RC0402FR-071KL" RESC1005X40X25NL05T10 55.175,202.15 r0 top (schematic designator R1)
R1_CH18 "RC0402FR-071KL" RESC1005X40X25NL05T10 74.675,202.15 r0 top (schematic designator R1)
R1_CH19 "RC0402FR-071KL" RESC1005X40X25NL05T10 94.175,202.15 r0 top (schematic designator R1)
R1_CH20 "RC0402FR-071KL" RESC1005X40X25NL05T10 113.675,202.15 r0 top (schematic designator R1)
R1_CH21 "RC0402FR-071KL" RESC1005X40X25NL05T10 113.675,221.65 r0 top (schematic designator R1)
R1_CH22 "RC0402FR-071KL" RESC1005X40X25NL05T10 94.175,221.65 r0 top (schematic designator R1)
R1_CH23 "RC0402FR-071KL" RESC1005X40X25NL05T10 74.675,221.65 r0 top (schematic designator R1)
R1_CH24 "RC0402FR-071KL" RESC1005X40X25NL05T10 55.175,221.65 r0 top (schematic designator R1)
R2_CH1 "RC0402FR-071KL" RESC1005X40X25NL05T10 52.85,124.15 r180 top locked (schematic designator R2)
R2_CH2 "RC0402FR-071KL" RESC1005X40X25NL05T10 72.35,124.15 r180 top (schematic designator R2)
R2_CH3 "RC0402FR-071KL" RESC1005X40X25NL05T10 91.85,124.15 r180 top (schematic designator R2)
R2_CH4 "RC0402FR-071KL" RESC1005X40X25NL05T10 111.35,124.15 r180 top (schematic designator R2)
R2_CH5 "RC0402FR-071KL" RESC1005X40X25NL05T10 111.35,143.65 r180 top (schematic designator R2)
R2_CH6 "RC0402FR-071KL" RESC1005X40X25NL05T10 91.85,143.65 r180 top (schematic designator R2)
R2_CH7 "RC0402FR-071KL" RESC1005X40X25NL05T10 72.35,143.65 r180 top (schematic designator R2)
R2_CH8 "RC0402FR-071KL" RESC1005X40X25NL05T10 52.85,143.65 r180 top (schematic designator R2)
R2_CH9 "RC0402FR-071KL" RESC1005X40X25NL05T10 52.85,163.15 r180 top (schematic designator R2)
R2_CH10 "RC0402FR-071KL" RESC1005X40X25NL05T10 72.35,163.15 r180 top (schematic designator R2)
R2_CH11 "RC0402FR-071KL" RESC1005X40X25NL05T10 91.85,163.15 r180 top (schematic designator R2)
R2_CH12 "RC0402FR-071KL" RESC1005X40X25NL05T10 111.35,163.15 r180 top (schematic designator R2)
R2_CH13 "RC0402FR-071KL" RESC1005X40X25NL05T10 111.35,182.65 r180 top (schematic designator R2)
R2_CH14 "RC0402FR-071KL" RESC1005X40X25NL05T10 91.85,182.65 r180 top (schematic designator R2)
R2_CH15 "RC0402FR-071KL" RESC1005X40X25NL05T10 72.35,182.65 r180 top (schematic designator R2)
R2_CH16 "RC0402FR-071KL" RESC1005X40X25NL05T10 52.85,182.65 r180 top (schematic designator R2)
R2_CH17 "RC0402FR-071KL" RESC1005X40X25NL05T10 52.85,202.15 r180 top (schematic designator R2)
R2_CH18 "RC0402FR-071KL" RESC1005X40X25NL05T10 72.35,202.15 r180 top (schematic designator R2)
R2_CH19 "RC0402FR-071KL" RESC1005X40X25NL05T10 91.85,202.15 r180 top (schematic designator R2)
R2_CH20 "RC0402FR-071KL" RESC1005X40X25NL05T10 111.35,202.15 r180 top (schematic designator R2)
R2_CH21 "RC0402FR-071KL" RESC1005X40X25NL05T10 111.35,221.65 r180 top (schematic designator R2)
R2_CH22 "RC0402FR-071KL" RESC1005X40X25NL05T10 91.85,221.65 r180 top (schematic designator R2)
R2_CH23 "RC0402FR-071KL" RESC1005X40X25NL05T10 72.35,221.65 r180 top (schematic designator R2)
R2_CH24 "RC0402FR-071KL" RESC1005X40X25NL05T10 52.85,221.65 r180 top (schematic designator R2)
R3_CH1 "RT0805BRD0722RL" FP-RT0805-MFG 55.8,116.2 r180 top locked value=22Ω (schematic designator R3)
R3_CH2 "RT0805BRD0722RL" FP-RT0805-MFG 75.3,116.2 r180 top value=22Ω (schematic designator R3)
R3_CH3 "RT0805BRD0722RL" FP-RT0805-MFG 94.8,116.2 r180 top value=22Ω (schematic designator R3)
R3_CH4 "RT0805BRD0722RL" FP-RT0805-MFG 114.3,116.2 r180 top value=22Ω (schematic designator R3)
R3_CH5 "RT0805BRD0722RL" FP-RT0805-MFG 114.3,135.7 r180 top value=22Ω (schematic designator R3)
R3_CH6 "RT0805BRD0722RL" FP-RT0805-MFG 94.8,135.7 r180 top value=22Ω (schematic designator R3)
R3_CH7 "RT0805BRD0722RL" FP-RT0805-MFG 75.3,135.7 r180 top value=22Ω (schematic designator R3)
R3_CH8 "RT0805BRD0722RL" FP-RT0805-MFG 55.8,135.7 r180 top value=22Ω (schematic designator R3)
R3_CH9 "RT0805BRD0722RL" FP-RT0805-MFG 55.8,155.2 r180 top value=22Ω (schematic designator R3)
R3_CH10 "RT0805BRD0722RL" FP-RT0805-MFG 75.3,155.2 r180 top value=22Ω (schematic designator R3)
R3_CH11 "RT0805BRD0722RL" FP-RT0805-MFG 94.8,155.2 r180 top value=22Ω (schematic designator R3)
R3_CH12 "RT0805BRD0722RL" FP-RT0805-MFG 114.3,155.2 r180 top value=22Ω (schematic designator R3)
R3_CH13 "RT0805BRD0722RL" FP-RT0805-MFG 114.3,174.7 r180 top value=22Ω (schematic designator R3)
R3_CH14 "RT0805BRD0722RL" FP-RT0805-MFG 94.8,174.7 r180 top value=22Ω (schematic designator R3)
R3_CH15 "RT0805BRD0722RL" FP-RT0805-MFG 75.3,174.7 r180 top value=22Ω (schematic designator R3)
R3_CH16 "RT0805BRD0722RL" FP-RT0805-MFG 55.8,174.7 r180 top value=22Ω (schematic designator R3)
R3_CH17 "RT0805BRD0722RL" FP-RT0805-MFG 55.8,194.2 r180 top value=22Ω (schematic designator R3)
R3_CH18 "RT0805BRD0722RL" FP-RT0805-MFG 75.3,194.2 r180 top value=22Ω (schematic designator R3)
R3_CH19 "RT0805BRD0722RL" FP-RT0805-MFG 94.8,194.2 r180 top value=22Ω (schematic designator R3)
R3_CH20 "RT0805BRD0722RL" FP-RT0805-MFG 114.3,194.2 r180 top value=22Ω (schematic designator R3)
R3_CH21 "RT0805BRD0722RL" FP-RT0805-MFG 114.3,213.7 r180 top value=22Ω (schematic designator R3)
R3_CH22 "RT0805BRD0722RL" FP-RT0805-MFG 94.8,213.7 r180 top value=22Ω (schematic designator R3)
R3_CH23 "RT0805BRD0722RL" FP-RT0805-MFG 75.3,213.7 r180 top value=22Ω (schematic designator R3)
R3_CH24 "RT0805BRD0722RL" FP-RT0805-MFG 55.8,213.7 r180 top value=22Ω (schematic designator R3)
R4_CH1 "CRCW040210K0FKED" RESC1005X40X25NL05T05 60.35,121.05 r180 top locked (schematic designator R4)
R4_CH2 "CRCW040210K0FKED" RESC1005X40X25NL05T05 79.85,121.05 r180 top (schematic designator R4)
R4_CH3 "CRCW040210K0FKED" RESC1005X40X25NL05T05 99.35,121.05 r180 top (schematic designator R4)
R4_CH4 "CRCW040210K0FKED" RESC1005X40X25NL05T05 118.85,121.05 r180 top (schematic designator R4)
R4_CH5 "CRCW040210K0FKED" RESC1005X40X25NL05T05 118.85,140.55 r180 top (schematic designator R4)
R4_CH6 "CRCW040210K0FKED" RESC1005X40X25NL05T05 99.35,140.55 r180 top (schematic designator R4)
R4_CH7 "CRCW040210K0FKED" RESC1005X40X25NL05T05 79.85,140.55 r180 top (schematic designator R4)
R4_CH8 "CRCW040210K0FKED" RESC1005X40X25NL05T05 60.35,140.55 r180 top (schematic designator R4)
R4_CH9 "CRCW040210K0FKED" RESC1005X40X25NL05T05 60.35,160.05 r180 top (schematic designator R4)
R4_CH10 "CRCW040210K0FKED" RESC1005X40X25NL05T05 79.85,160.05 r180 top (schematic designator R4)
R4_CH11 "CRCW040210K0FKED" RESC1005X40X25NL05T05 99.35,160.05 r180 top (schematic designator R4)
R4_CH12 "CRCW040210K0FKED" RESC1005X40X25NL05T05 118.85,160.05 r180 top (schematic designator R4)
R4_CH13 "CRCW040210K0FKED" RESC1005X40X25NL05T05 118.85,179.55 r180 top (schematic designator R4)
R4_CH14 "CRCW040210K0FKED" RESC1005X40X25NL05T05 99.35,179.55 r180 top (schematic designator R4)
R4_CH15 "CRCW040210K0FKED" RESC1005X40X25NL05T05 79.85,179.55 r180 top (schematic designator R4)
R4_CH16 "CRCW040210K0FKED" RESC1005X40X25NL05T05 60.35,179.55 r180 top (schematic designator R4)
R4_CH17 "CRCW040210K0FKED" RESC1005X40X25NL05T05 60.35,199.05 r180 top (schematic designator R4)
R4_CH18 "CRCW040210K0FKED" RESC1005X40X25NL05T05 79.85,199.05 r180 top (schematic designator R4)
R4_CH19 "CRCW040210K0FKED" RESC1005X40X25NL05T05 99.35,199.05 r180 top (schematic designator R4)
R4_CH20 "CRCW040210K0FKED" RESC1005X40X25NL05T05 118.85,199.05 r180 top (schematic designator R4)
R4_CH21 "CRCW040210K0FKED" RESC1005X40X25NL05T05 118.85,218.55 r180 top (schematic designator R4)
R4_CH22 "CRCW040210K0FKED" RESC1005X40X25NL05T05 99.35,218.55 r180 top (schematic designator R4)
R4_CH23 "CRCW040210K0FKED" RESC1005X40X25NL05T05 79.85,218.55 r180 top (schematic designator R4)
R4_CH24 "CRCW040210K0FKED" RESC1005X40X25NL05T05 60.35,218.55 r180 top (schematic designator R4)
R5_CH1 "ERJ1GNF1003C" RESC0603X26X15LL03T05 59.2,114.225 r90 top locked (schematic designator R5)
R5_CH2 "ERJ1GNF1003C" RESC0603X26X15LL03T05 78.7,114.225 r90 top (schematic designator R5)
R5_CH3 "ERJ1GNF1003C" RESC0603X26X15LL03T05 98.2,114.225 r90 top (schematic designator R5)
R5_CH4 "ERJ1GNF1003C" RESC0603X26X15LL03T05 117.7,114.225 r90 top (schematic designator R5)
R5_CH5 "ERJ1GNF1003C" RESC0603X26X15LL03T05 117.7,133.725 r90 top (schematic designator R5)
R5_CH6 "ERJ1GNF1003C" RESC0603X26X15LL03T05 98.2,133.725 r90 top (schematic designator R5)
R5_CH7 "ERJ1GNF1003C" RESC0603X26X15LL03T05 78.7,133.725 r90 top (schematic designator R5)
R5_CH8 "ERJ1GNF1003C" RESC0603X26X15LL03T05 59.2,133.725 r90 top (schematic designator R5)
R5_CH9 "ERJ1GNF1003C" RESC0603X26X15LL03T05 59.2,153.225 r90 top (schematic designator R5)
R5_CH10 "ERJ1GNF1003C" RESC0603X26X15LL03T05 78.7,153.225 r90 top (schematic designator R5)
R5_CH11 "ERJ1GNF1003C" RESC0603X26X15LL03T05 98.2,153.225 r90 top (schematic designator R5)
R5_CH12 "ERJ1GNF1003C" RESC0603X26X15LL03T05 117.7,153.225 r90 top (schematic designator R5)
R5_CH13 "ERJ1GNF1003C" RESC0603X26X15LL03T05 117.7,172.725 r90 top (schematic designator R5)
R5_CH14 "ERJ1GNF1003C" RESC0603X26X15LL03T05 98.2,172.725 r90 top (schematic designator R5)
R5_CH15 "ERJ1GNF1003C" RESC0603X26X15LL03T05 78.7,172.725 r90 top (schematic designator R5)
R5_CH16 "ERJ1GNF1003C" RESC0603X26X15LL03T05 59.2,172.725 r90 top (schematic designator R5)
R5_CH17 "ERJ1GNF1003C" RESC0603X26X15LL03T05 59.2,192.225 r90 top (schematic designator R5)
R5_CH18 "ERJ1GNF1003C" RESC0603X26X15LL03T05 78.7,192.225 r90 top (schematic designator R5)
R5_CH19 "ERJ1GNF1003C" RESC0603X26X15LL03T05 98.2,192.225 r90 top (schematic designator R5)
R5_CH20 "ERJ1GNF1003C" RESC0603X26X15LL03T05 117.7,192.225 r90 top (schematic designator R5)